# Altium PCB PCB1.PcbDoc (part 1 of 2) (continued)
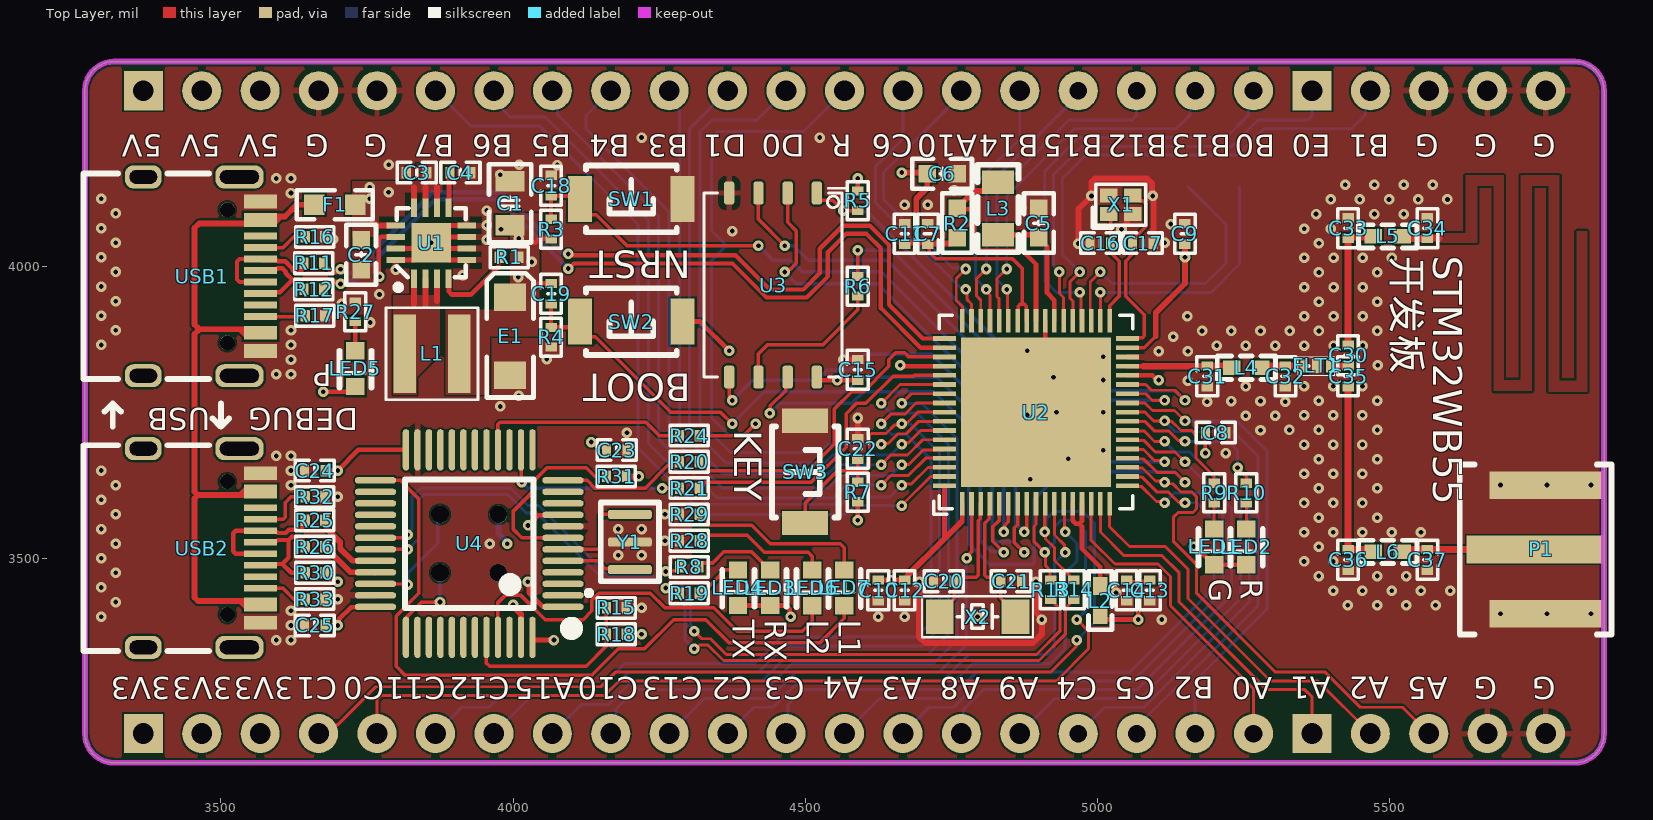
[diagram p0: Top Layer view]
## Footprints (in the part's own frame and the unit in brackets; to place one, negate y for a bottom-side part, rotate by r counter-clockwise, add the part's x,y. Pads: shape width x height; smd on the part's side, far side on the other; paste and mask are expansions set on the pad) (continued)
QSPI [mm]
  rrect50% 1x0.45 smd: 1(0,0) 2(0,-1.27) 3(0,-2.54) 4(0,-3.81) 5(8,-3.81) 6(8,-2.54) 7(8,-1.27) 8(8,0)
  silkscreen extent -0.21,-4.91 8,1.31
"R 0402_L" [mm] "1/16W贴片电阻"
  rect 0.4x0.5 smd: 1(-0.4,0) 2(0.45,0)
  silkscreen extent -0.8,-0.45 0.85,0.45, body extent -0.5,-0.25 0.5,0.25, height 0.3
"R 0603_L" [mil] "1/10W贴片电阻"
  rect 30x30 smd: 1(-25.59,0) 2(25.59,0)
  silkscreen extent -51,-26 51,26, body extent -31,-16 32,16, height 16
"TEST 1.2" [mm] "测试点1.2mm"
  round 1.2 smd paste-1.2: 1(0,0)
  silkscreen extent -0.76,-0.76 0.76,0.76
Type-c接口 [mm]
  rrect75% 1x2.1 hole 1.7 slot 0.6 at 0 deg: 0(0.454,1.117) 0(9.094,1.117)
  rrect75% 1x1.6 hole 1.2 slot 0.6 at 0 deg: 0(0.454,-3.063) 0(9.094,-3.063)
  round 0.65 hole 0.65: 0(1.884,0.587) 0(7.664,0.587)
  rect 0.3x1.45 smd: A1(1.374,2.032) A4(2.174,2.032) A5(3.524,2.032) A6(4.524,2.032) A7(5.024,2.032) A8(6.024,2.032) A9(7.374,2.032) A12(8.174,2.032) B1(7.874,2.032) B4(7.074,2.032) B5(6.524,2.032) B6(5.524,2.032) B7(4.024,2.032) B8(3.024,2.032) B9(2.474,2.032) B12(1.674,2.032)
  silkscreen extent 0.3,-5.66 9.24,-0.21
VFQFN68-8x8mm-M [mil]
  rect 40x8 smd paste+0 mask+0: 1(-156.5,125.98) 2(-156.5,110.24) 3(-156.5,94.49) 4(-156.5,78.74) 5(-156.5,62.99) 6(-156.5,47.24) 7(-156.5,31.5) 8(-156.5,15.75) 9(-156.5,0) 10(-156.5,-15.75) 11(-156.5,-31.5) 12(-156.5,-47.24) 13(-156.5,-62.99) 14(-156.5,-78.74) 15(-156.5,-94.49) 16(-156.5,-110.24) 17(-156.5,-125.98) 35(156.5,-125.98) 36(156.5,-110.24) 37(156.5,-94.49) 38(156.5,-78.74) 39(156.5,-62.99) 40(156.5,-47.24) 41(156.5,-31.5) 42(156.5,-15.75) 43(156.5,0) 44(156.5,15.75) 45(156.5,31.5) 46(156.5,47.24) 47(156.5,62.99) 48(156.5,78.74) 49(156.5,94.49) 50(156.5,110.24) 51(156.5,125.98)
  rect 8x40 smd paste+0 mask+0: 18(-125.98,-156.5) 19(-110.24,-156.5) 20(-94.49,-156.5) 21(-78.74,-156.5) 22(-62.99,-156.5) 23(-47.24,-156.5) 24(-31.5,-156.5) 25(-15.75,-156.5) 26(0,-156.5) 27(15.75,-156.5) 28(31.5,-156.5) 29(47.24,-156.5) 30(62.99,-156.5) 31(78.74,-156.5) 32(94.49,-156.5) 33(110.24,-156.5) 34(125.98,-156.5) 52(125.98,156.5) 53(110.24,156.5) 54(94.49,156.5) 55(78.74,156.5) 56(62.99,156.5) 57(47.24,156.5) 58(31.5,156.5) 59(15.75,156.5) 60(0,156.5) 61(-15.75,156.5) 62(-31.5,156.5) 63(-47.24,156.5) 64(-62.99,156.5) 65(-78.74,156.5) 66(-94.49,156.5) 67(-110.24,156.5) 68(-125.98,156.5)
  rect 256x256 smd paste-127.5 mask+0: 69(0,0)
  silkscreen extent -175,-166 166,175, body extent 0,0 10,10, height 10
三脚晶振 [mm]
  rrect50% 0.4x1.9 smd: 1(2.4,0) 2(1.2,0) 3(0,0)
  silkscreen extent -1.12,-1.27 2.92,1.88
按钮 [mm]
  rect 1.05x2 smd: 1(0,0) 2(4.45,0)
  silkscreen extent 0.25,-1.45 4.2,1.45
电感XFL4020 [mm]
  rect 0.98x3.4 smd: 1(0,0) 2(2.37,0)
  silkscreen extent -0.81,-2 3.18,2

## Part data
C1 C2 C3 C4 C5 C6 C7 C8 C9 C10 C11 C12 C13 C14 C15 C16 C17 C18 C19 C20 C21 C22 C23 C24 C25 C30 C31 C32 C33 C34 C35 C36 C37: library part C, "贴片电容", 主类型=电容, 具体类型=陶瓷电容, 封装类型=贴片
  C1 C33 C36 C37: 值/型号=22uF/16V, 值精度=±10%, 元件封装=0805, 温度漂移=X7R（10%）, 温度范围="-55°C ~ 125°C", 生产商=SAMSUNG(三星), 生产商零件编码=CL21A226KOQNNNE, 立创编号=C296720
  C2: 值/型号=10uF/16V, 值精度=±10%, 元件封装=0603, 温度漂移=X5R, 温度范围="-55°C ~ 125°C", 生产商=SAMSUNG(三星), 生产商零件编码=CL10A106MO8NQNC, 立创编号=C92487C70462
  C3 C7 C8 C9 C10 C11 C12 C13 C15 C23 C24 C25: 值/型号=100nF/16V, 值精度=±10%, 元件封装=0402, 温度漂移=X7R（15%）, 温度范围="-55°C ~ 125°C", 生产商=YAGEO(国巨), 生产商零件编码=CC0402KRX7R7BB104, 立创编号=C60474
  C4: 值/型号=3.3nF/50V, 值精度=±5%, 元件封装=0402, 温度漂移=X7R（5%）, 温度范围="-55°C ~ 125°C", 生产商=YAGEO(国巨), 生产商零件编码=CC0402JRX7R9BB332, 立创编号=C541447
  C5 C6: 值/型号=4.7uF/16V, 值精度=±10%, 元件封装=0603, 温度漂移=X5R（10%）, 温度范围="-55°C ~ 125°C", 生产商=muRata(村田), 生产商零件编码=GRM188R61C475KE11D, 立创编号=C77045
  C14: 值/型号=100pF/16V, 值精度=±5%, 元件封装=0402, 温度漂移=NP0（5%）, 温度范围="-55°C ~ 125°C", 生产商=YAGEO(国巨), 生产商零件编码=CC0402JRNPO7BN101, 立创编号=C526991
  C16 C17: 值/型号=10pF/50V, 值精度=±1%, 元件封装=0402, 温度漂移=C0G, 生产商=FH(风华), 生产商零件编码=0402CG100F500NT, 立创编号=C285132
  C18 C19 C22: 值/型号=10nF/16V, 值精度=±10%, 元件封装=0402, 温度漂移=X7R, 生产商=YAGEO(国巨), 生产商零件编码=CC0402KRX7R7BB103, 立创编号=C327009
  C20 C21: 值/型号=7pF/50V, 值精度=±0.25pF, 元件封装=0402, 温度漂移=C0G, 生产商=FH(风华), 生产商零件编码=0402CG7R0C500NT, 立创编号=C1577
  C30 C35: 值/型号=10nF/50V, 值精度=±5%, 元件封装=0402, 温度漂移=X7R（10%）, 温度范围="-55°C ~ 125°C", 生产商=YAGEO(国巨), 生产商零件编码=CC0402JRX7R9BB103, 立创编号=C272878
  C31: 值/型号=0.8pF/50V, 值精度=±0.05pF, 元件封装=0402, 温度漂移=X7R（10%）, 温度范围="-55°C ~ 125°C", 生产商=muRata(村田), 生产商零件编码=GJM1555C1HR80WB01D, 立创编号=C88902
  C32: 值/型号=0.3pF/50V, 值精度=±0.05pF, 元件封装=0402, 温度漂移=X7R（10%）, 温度范围="-55°C ~ 125°C", 生产商=muRata(村田), 生产商零件编码=GJM1555C1HR30WB01D, 立创编号=C76909
  C34: 值/型号=1.2pF/50V, 值精度=±0.05pF, 元件封装=0402, 温度漂移=X7R（10%）, 温度范围="-55°C ~ 125°C", 生产商=muRata(村田), 生产商零件编码=GJM1555C1H1R2WB01D, 立创编号=C76899
E1: library part C-CD, "聚合物电容 4.7uF/16V", 主类型=电容, 值/型号=4.7uF/16V, 值精度=±20%, 元件封装=CASE-A_3216, 具体类型=聚合物电容, 封装类型=贴片, 温度范围="-55℃ ~ +105℃", 生产商=Sunlord(顺络), 生产商零件编码=TC211A475M016A, 立创编号=C136628
F1: library part FU, "贴片保险丝"
FLT1: "Band Pass Filter Murata LFB182G45CGFD436", 主类型=电感, 值/型号=LFB182G45CGFD436, 元件封装=0603, 具体类型=滤波电感, 封装类型=贴片, 生产商=muRata(村田), 生产商零件编码=LFB182G45CGFD436
JP1 JP4: library part "Header 20", "20P接插件"
JP2 JP3: library part "Header 5", "5P接插件"
L1: library part L-CD, "XFL4020-222MEB", 主类型=电感, 值/型号=XFL4020-222MEB, 元件封装=4020, 具体类型=功率电感, 封装类型=贴片, 温度范围=-40-125, 生产商=Coilcraft, 生产商零件编码=XFL4020-222MEB, 立创编号=https://detail.tmall.com/item.htm?spm=a230r.1.14.16.717a6f292tX0SR&id=619184428761&ns=1&abbucket=12, 类型备注=淘宝采购
L2: library part L-CD, "0805", 主类型=电感, 值/型号=FCM1608KF-601T03, 元件封装=0603, 具体类型=功率电感, 封装类型=贴片, 温度范围=-40-125, 生产商=台庆, 生产商零件编码=FCM1608KF-601T03, 立创编号=C141723
L3: library part L-CD, "74479777310A", 主类型=电感, 值/型号=74479777310A, 元件封装=0805, 具体类型=功率电感, 封装类型=贴片, 温度范围=-40-125, 生产商=WE, 生产商零件编码=74479777310A, 类型备注=淘宝采购
L4: library part L-CD, "LQG15HS2N7S02", 主类型=电感, 值/型号=LQG15HS2N7S02, 元件封装=0402, 具体类型=贴片电感, 封装类型=贴片, 温度范围=-40-125, 生产商=muRata(村田), 生产商零件编码=LQG15HS2N7S02D, 立创编号=C77108
L5: library part L-CD, "LQG15HS3N6S02", 主类型=电感, 值/型号=LQG15HS3N6S02, 元件封装=0402, 具体类型=贴片电感, 封装类型=贴片, 温度范围=-40-125, 生产商=muRata(村田), 生产商零件编码=LQG15HS3N6S02D, 立创编号=C19216
L6: library part L-CD, 主类型=电感, 元件封装=4020, 具体类型=功率电感, 封装类型=贴片, 温度范围=-40-125, 生产商=Coilcraft, 生产商零件编码=XFL4020-222MEB, 立创编号=https://detail.tmall.com/item.htm?spm=a230r.1.14.16.717a6f292tX0SR&id=619184428761&ns=1&abbucket=12, 类型备注=淘宝采购
LED1 LED2 LED3 LED4 LED5 LED6 LED7: library part LED-SMD, "C84267"
P1: "SMB Straight Connector"
R1 R2 R5 R6: library part R, "贴片电阻 0402 1%", 主类型=电阻, 具体类型=贴片电阻, 封装类型=贴片
  R1: 值/型号=100K, 值精度=±1%, 元件封装=0402, 温度漂移=±100ppm/℃, 生产商=国巨, 生产商零件编码=RC0402FR-07100KL, 立创编号=C60491
  R2: 值/型号=0, 值精度=±5%, 元件封装=0603, 温度漂移=-200ppm/℃~400ppm/℃, 生产商=华新科(Walsin), 生产商零件编码=WR06X000PTL, 立创编号=C132607
  R5: 值/型号=10K, 值精度=±1%, 元件封装=0402, 温度漂移=±100ppm/℃, 生产商=国巨, 生产商零件编码=RC0402FR-0710KL, 立创编号=C60490
  R6: 值/型号=22, 值精度=±1%, 元件封装=0402, 温度漂移=±100ppm/℃, 生产商=国巨, 生产商零件编码=RC0402FR-0722RL, 立创编号=C114765
R3 R4 R7 R15 R18 R20 R21 R24 R25 R26 R30 R31 R32 R33: library part R, "贴片电阻", 主类型=电阻, 具体类型=贴片电阻, 封装类型=贴片
  R3 R4 R7: 值/型号=10K, 值精度=1%, 元件封装=贴片, 温度漂移=±100ppm/℃, 生产商=YAGEO（国巨）, 生产商零件编码=RC0402FR-0710KL, 立创编号=C60490
  R15 R18 R20 R21 R24 R25 R26 R31 R32 R33: 值/型号=10K, 值精度=±1%, 元件封装=0402, 温度漂移=±100ppm/℃, 生产商=YAGEO（国巨）, 生产商零件编码=RC0402FR-0710KL, 立创编号=C60490
  R30: 值/型号=1.5K, 值精度=±1%, 元件封装=0402, 生产商=YAGEO(国巨), 生产商零件编码=RC0402FR-071K5L, 立创编号=C114759
R8 R9 R10 R11 R12 R13 R14 R16 R17 R19 R27 R28 R29: library part R, "贴片电阻 0402 5%", 主类型=电阻, 元件封装=0402, 具体类型=贴片电阻, 封装类型=贴片, 温度漂移=50ppm
  R8 R9 R19 R28 R29: 值/型号=15K, 值精度=±1%, 生产商=国巨, 生产商零件编码=RT0402FRE0715KL, 立创编号=C136975
  R10 R27: 值/型号=910, 值精度=±1%, 生产商=UNI-ROYAL(厚声), 生产商零件编码=0402WGF9100TCE, 立创编号=C44933
  R11 R12: 值/型号=22, 值精度=±1%, 生产商=国巨, 生产商零件编码=RC0402FR-0722RL, 立创编号=C114765
  R13 R14: 值/型号=0, 值精度=±5%, 生产商=国巨, 生产商零件编码=RC0402JR-070RL, 立创编号=C60485
  R16 R17: 值/型号=5.1K, 值精度=±1%, 生产商=国巨, 生产商零件编码=RC0402FR-075K1L, 立创编号=C105872
SW1 SW2 SW3: library part "TSW 3x6", "3x6轻触开关"
TP1 TP2 TP3 TP4 TP5 TP6: "测试点"
U1: library part "开关电源 TPS62133", 主类型=线性稳压器, 值/型号=TPS62133RGTR, 元件封装=VQFN-16, 具体类型=LDO, 封装类型=贴片, 温度范围=-40-85, 生产商=TI(德州仪器), 生产商零件编码=TPS62133RGTR, 立创编号=C73973
U2: "No Description Available", Built_By=EMA_UL_Team, Copyright="Copyright (C) 2018 Accelerated Designs. All rights reserved", Manufacturer_Part_Number=STM32WB55RGV6, RefDes=RefDes, SourceLibrary=Updates_to_database_2020-10-19, Type=DEV, Vendor=STMicroelectronics
U3: library part QSPI-W25Q256IV
U4: "ARM Cortex-M3 32-bit MCU, 128 KB Flash, 20 KB Internal RAM, 37 I/Os, 48-pin LQFP, -40 to 85 degC, Tray"
USB1 USB2: library part USB-Type-C-TOP
X1: library part XTAL-4P, "4脚无源晶振", 主类型=晶振, 值/型号=32M, 值精度=9PPM, 元件封装=1612, 具体类型=无源晶振, 封装类型=贴片, 温度范围=-40℃~85℃, 生产商=EPSON(爱普生), 生产商零件编码=X1E0002510050, 立创编号=C255987
X2: library part XTAL-2P, "2脚无源脚晶振", 主类型=晶振, 值/型号=32.768K, 值精度=10PPM, 元件封装=3215, 具体类型=无源晶振, 封装类型=贴片, 温度范围="-40℃ ~ +85℃", 生产商=EPSON(爱普生), 生产商零件编码=Q13FC1350000200, 立创编号=C48615
Y1: library part 晶振-3Pin, "村田贴片"

## Free pads (board coordinates)
  round 30 hole 30: 3(3875,3475) 3(3875,3575) 3(3975,3475) 3(3975,3575)

## Via types
v1: diameter 18, hole 8, Top Layer to Bottom Layer, tented both sides, 309 vias

## Nets (pads, with @x,y where several pads share a name; then routed paths per layer and width w, separated by ;. In a path a pad name is that pad's centre, name@x,y a point inside that pad or via, vN(x,y) a via of type N, cw(c..) or ccw(c..) an arc to the next point about the centre after c; other vN are vias at no path point)
3V3: C1.1 C6.2 C7.2 C8.2 C9.2 C10.2 C11.2 C12.2 C13.2 C14.2 C15.2 C19.2 C23.2 C24.2 C25.2 E1.1 JP4.1 JP4.2 JP4.3 L1.2 L2.1 LED1.1 LED2.1 LED3.1 LED4.1 LED5.1 pad.3@3975,3575 R1.2 R2.1 R3.2 R5.1 R7.2 R18.1 R30.2 R31.1 SW2.2 TP5.1 U1.14 U2.1 U2.30 U2.33 U2.44 U2.45 U2.55 U2.68 U3.8 U4.1 U4.9 U4.24 U4.36 U4.48 | length 2721.6
  Top Layer w6: C7.2@4710,4037.29 4712.03,4035.26 4712.03,4023.93 4723.34,4012.62 4854.84,4012.62 4871.53,3995.93 4871.53,3935 ; U2.45@4863.5,3906.5 4864.5,3907.5 4864.5,3931.49 4868.02,3935 4871.53,3935 ; U2.44@4879.25,3906.5 4878.25,3907.5 4878.25,3931.49 4874.74,3935 4871.53,3935 ; U2.33@5063.98,3860 5080,3860 5100,3880 ; v1@5185,3685 C8.2@5185,3715
  Top Layer w8: v1(3675,3785) 3721.02,3785 LED5.1@3730,3793.98 ; R30.2@3677.71,3475 3677.71,3473.03 3688.83,3461.91 3698.09,3461.91 v1(3700,3460) ; C25.2@3678.69,3385 v1(3700,3385) 3701.91,3386.91 3701.91,3395.24 3722.83,3416.16 3763.98,3416.16 U4.36@3764.55,3416.73 ; C24.2@3678.69,3650 v1(3700,3650) 3735.45,3685.45 U4.24@3816.73,3685.45 ; v1(3771.41,3982) 3770,3983.41 3770,4045.31 3774.69,4050 3798.83,4050 U1.14@3798.99,4049.84 ; v1(4025,3460) 4026.91,3458.09 4026.91,3441.21 4050.82,3417.31 4084.87,3417.31 U4.1@4085.45,3416.73 ; v1(4025.65,3556.08) 4043.21,3573.64 4084.87,3573.64 U4.9@4085.45,3574.21 ; U4.48@4033.27,3364.55 4033.27,3361.39 4034.65,3360 v1(4070,3360) ; 4035,3965 4037.71,3965 4043.14,3970.43 C19.2@4065,3970.43 ; 4035,4040 4037.71,4040 4044.24,4046.54 R3.2@4065,4046.54 ; v1(4134.1,3698.83) 4136.8,3698.83 4144.79,3690.84 4155.94,3690.84 4159.81,3686.97 C23.2@4159.81,3685 ; R18.1@4193.28,3370 v1(4220,3370) ; SW2.2@4290,3905 4320,3905 v1(4370,3855) ; LED4.1@4385,3418.98 4467.21,3418.98 4473.75,3412.44 4473.75,3401.25 v1(4475,3400) ; U3.8@4520,3810.04 4520,3809.59 4524.83,3804.77 v1(4555,3804.77) ; v1@4555,3804.57 C15.2@4590,3804.57 ; v1(4590,3565) R7.2@4590,3596.54 ; R5.1@4590,4128.46 v1(4590,4150) ; C10.2@4625,3462.71 v1(4647.5,3462.71) C12.2@4670,3462.71 ; v1(4662.83,3830.28) 4664.37,3828.74 U2.55@4738.5,3828.74 ; 4737.01,3532.01 4738.5,3533.5 U2.68@4738.5,3624.02 ; 4768.02,3563.02 4769.02,3564.02 U2.1@4769.02,3593.5 ; L2.1@5005,3402.46 5012.46,3395 v1(5070,3395) 5070,3453.79 ; C14.2@5050,3462.71 5053.81,3458.91 5064.88,3458.91 5070,3453.79 ; U2.30@5051.5,3812.99 5094.3,3812.99 5102.29,3805 v1(5105,3805) ; C13.2@5090,3462.71 5087.29,3460 5075,3460 5070,3455 5070,3453.79 ; v1(5165,3520) 5166.91,3518.09 5169.91,3518.09 5199.02,3488.98 LED1.1@5200,3488.98 LED2.1@5255,3488.98
  Top Layer w10: R31.1@4193.28,3640 v1(4215,3640) ; v1(4665,4160) 4708.82,4160 4708.82,4133.82 4690,4115 4690,4045 ; C12.2@4670,3462.71 4671.97,3462.71 4674.84,3465.59 4674.84,3469.84 4737.01,3532.01 ; C11.2@4670.04,4037.25 4672.96,4040.16 4685.16,4040.16 4690,4045 ; 4738.5,3533.5 4768.02,3563.02 ; R2.1@4760.01,4048.13 4750.66,4038.79 4711.5,4038.79 C7.2@4710,4037.29 4707.13,4040.16 4694.84,4040.16 4690,4045 ; 5100,3880 5100,3920 5150,3970 C9.2@5150,4037.29
  Bottom Layer w10: pad.3@3975,3575 3975,3542.16 3990,3527.16 v1(3990,3525)
  other v1: 5185,3680 4009.07,3981.2 4032.09,4007.04 5150,4015 4009.72,4047.19 3979.44,4062.8
5V: C2.2 C3.2 F1.2 JP1.1 JP1.2 JP1.3 U1.10 U1.11 U1.12 U1.13 | length 146.6
  Top Layer w10: 3760,4075 3765.47,4069.53 U1.13@3798.99,4069.53 ; 3830,4135 3830.47,4134.53 U1.12@3830.47,4100.01 ; 3850,4135 3850.16,4134.84 U1.11@3850.16,4100.01 ; U1.10@3869.84,4100.01 3869.84,4134.84 3870,4135
  other v1: 3755,4115 3786.92,4126.17 3755,4135
5V_IN: F1.1 USB1.A4 USB1.A9 USB1.B4 USB1.B9 USB2.A4 USB2.A9 USB2.B4 USB2.B9 | length 1344.8
  Top Layer w10: USB2.A9@3567.83,3415.14 3545.2,3415.14 3533.39,3426.95 ; USB2.B4@3567.83,3426.95 3533.39,3426.95 ; USB2.B9@3567.83,3608.05 3533.39,3608.05 ; USB2.A4@3567.83,3619.86 3545.2,3619.86 3533.39,3608.05 ; USB1.A9@3567.83,3880.14 3545.2,3880.14 3533.39,3891.95 ; USB1.B4@3567.83,3891.95 3533.39,3891.95 ; USB1.A4@3567.83,4084.86 3602.28,4084.86 ; F1.1@3660,4105 3630,4105 3609.86,4084.86 3602.28,4084.86 ; 3460.86,3608.05 3533.39,3608.05 ; 3460.86,3608.05 3455,3602.19 3455,3432.81 3460.86,3426.95 3533.39,3426.95 ; 3460.86,3608.05 3455,3613.91 3455,3883.9 3463.05,3891.95 ; 3463.05,3891.95 3455,3900 3455,4065 3463.05,4073.05 USB1.B9@3567.83,4073.05 3590.47,4073.05 3602.28,4084.86 ; 3463.05,3891.95 3533.39,3891.95
ANT: C34.1 L5.2 | length 65
  Top Layer w11.55: L5.2@5522,4051 5525.72,4047.28 C34.1@5565,4047.28 5565.76,4048.04 5585.12,4048.04
BOOT0: R15.2 R18.2 U4.44 | length 331.2
  Top Layer w6: U4.44@3954.53,3364.55 3954.53,3320.47 3960,3315 4125,3315 4159.81,3349.81 R18.2@4159.81,3370 R15.2@4159.81,3415
GND: C1.2 C2.1 C3.1 C4.1 C5.1 C6.1 C7.1 C8.1 C9.1 C10.1 C11.1 C12.1 C13.1 C14.1 C15.1 C16.1 C17.1 C18.2 C20.1 C21.1 C22.2 C23.1 C24.1 C25.1 C31.2 C32.2 C33.2 C34.2 C36.2 C37.2 E1.2 FLT1.2 JP1.4 JP1.5 JP2.3 JP2.4 JP2.5 JP3.4 JP3.5 P1.2 pad.3@3975,3475 R4.2 R15.1 R16.2 R17.2 R27.1 R28.1 R29.1 R32.1 R33.1 SW1.2 SW3.2 TP6.1 U1.5 U1.6 U1.7 U1.8 U1.15 U1.16 U1.17 U2.32 U2.42 U2.69 U3.4 U4.8 U4.23 U4.35 U4.47 USB1.A1 USB1.A12 USB1.B1 USB1.B12 USB2.A1 USB2.A12 USB2.B1 USB2.B12 X1.2 X1.4 Y1.2 | length 1559.4
  Top Layer w8: U1.16@3798.99,4010.47 3830.47,4010.47 U1.17@3850.16,4030.16 ; U1.15@3798.99,4030.16 U1.17@3850.16,4030.16 ; U1.5@3921.01,4010.47 3889.53,4010.47 U1.17@3869.84,4030.16 ; U1.6@3921.01,4030.16 U1.17@3869.84,4030.16 ; U1.7@3921.01,4049.84 U1.17@3869.84,4049.84 ; U1.8@3921.01,4069.53 3920.95,4069.46 3889.46,4069.46 U1.17@3869.84,4049.84 ; U2.69@4895,3750 4910.75,3765.75 U2.42@4910.75,3906.5 ; U1.17@3850.16,4030.16 v1(3860,4040) ; v1(3860,4040) U1.17@3869.84,4030.16 ; v1(3860,4040) U1.17@3869.84,4049.84
  Top Layer w10: R17.2@3677.71,3915 3680.59,3915 3700.59,3915 3706.45,3920.86 3706.45,3934.98 v1(3706.66,3935.2) ; R16.2@3677.71,4050 3680.51,4047.2 3690.45,4047.2 v1(3691.98,4045.67) ; v1(4000,3420) 4000,3417.84 4013.39,3404.44 4013.39,3364.74 U4.47@4013.58,3364.55 ; R15.1@4193.28,3415 v1(4220,3415) ; v1(4565,3840) C15.1@4590,3840 ; C22.2@4590,3705 v1(4590,3740) ; v1(4695,3460) 4695,3365 4705,3355 4890,3355 4905,3370 v1(4905,3395) 4905,3397.16 4895,3407.16 v1(4895,3460) ; C16.1@4987.28,4039.26 4986.91,4038.88 4968.09,4038.88 v1(4967.71,4038.51) 4967.71,4097.71 v1(4990,4120) 4990,4144.14 4995.86,4150 5085,4150 5093.47,4141.53 5093.47,4121.53 v1(5095,4120) 5096.43,4118.57 5096.43,4062.52 5095,4061.09 5095,4039.68 C17.1@5095.43,4039.25 5095.8,4039.63 5114.63,4039.63 v1(5115,4040) ; v1(5041.34,4063.12) 5041.34,4063.41 5050.91,4072.98 5050.91,4082.44 5057.72,4089.25 X1.2@5060.67,4089.25
  other v1: 3595,3360 3620,3360 3620,3385 5110,3395 3295,3400 4625,3400 4670,3400 4795,3400 5690,3405 5769.69,3404.76 5845,3405 3620,3410 5428.77,3419.55 5478.77,3419.55 5528.77,3419.55 5578.77,3419.55 3320,3425 3700,3430 5032,3440.79 5403.77,3444.55 5453.77,3444.55 5503.77,3444.55 5553.77,3444.55 5603.77,3444.55 3295,3450 5378.77,3469.55 5478.77,3469.55 5528.77,3469.55 3320,3475 5353.77,3494.55 5403.77,3494.55 3295,3500 4180,3505 4220,3505 5378.77,3519.55 3320,3525 3960,3525 4260,3530 5353.77,3544.55 5403.77,3544.55 5453.77,3544.55 5503.77,3544.55 5553.77,3544.55 3295,3550 4180,3550 4220,3550 5378.77,3569.55 5478.77,3569.55 3320,3575 4260,3575 5353.77,3594.55 5403.77,3594.55 5453.77,3594.55 3295,3600 3700,3605 5378.77,3619.55 5478.77,3619.55 3320,3625 3620,3625 5690,3625.47 5769.69,3625.24 5845,3625.47 4885,3635 5353.77,3644.55 5403.77,3644.55 5453.77,3644.55 3295,3650 3620,3650 4950,3670 5378.77,3669.55 5478.77,3669.55 3595,3675 3620,3675 5220,3680 5010,3685 5353.77,3694.55 5403.77,3694.55 5453.77,3694.55 4195,3715 5279.24,3719.02 5328.77,3719.55 5378.77,3719.55 5478.77,3719.55 5254.24,3744.02 5304.24,3744.02 4880,3745 5353.77,3744.55 5403.77,3744.55 5453.77,3744.55 4930,3750 5010,3750 3978.18,3759.7 5187.75,3767.92 5321.75,3767.92 5229.24,3769.02 5279.24,3769.02 5378.77,3769.55 5478.77,3769.55 4010,3777.87 5254.24,3794.02 5353.77,3794.55 5403.77,3794.55 5453.77,3794.55 5155,3804 5010,3805 4925,3810 3595,3815 3620,3815 5480,3830 3620,3840 4057.54,3840.95 5010,3845 5105,3854 5155,3854 4880,3855 5204.24,3864.02 5254.24,3864.02 5304.24,3864.02 5354.24,3864.02 5404.24,3864.02 5454.24,3864.02 3295,3865 3620,3865 5130,3879 5179.24,3889.02 5229.24,3889.02 5279.24,3889.02 5329.24,3889.02 5379.24,3889.02 5479.24,3889.02 3320,3890 3620,3890 3755.78,3903.44 5154.24,3914.02 5354.24,3914.02 5404.24,3914.02 5454.24,3914.02 3295,3915 5379.24,3939.02 5479.24,3939.02 3320,3940 3771.44,3951.37 5354.24,3964.02 5404.24,3964.02 5454.24,3964.02 3295,3965 3913.81,3984.29 5379.24,3989.02 5479.24,3989.02 3320,3990 3799.2,3993.5 5354.24,4014.02 5404.24,4014.02 5454.24,4014.02 5504.24,4014.02 3295,4015 5379.24,4039.02 3320,4040 3955,4045 4375,4060 5354.24,4064.02 5399.24,4064.02 3295,4065 3955,4070 5125.43,4071.97 5374.24,4089.02 5474.24,4089.02 5524.24,4089.02 3320,4090 3955,4095 4870,4100 4670,4105 4710,4105 5399.24,4114.02 5449.24,4114.02 5499.24,4114.02 5549.24,4114.02 5599.24,4114.02 3295,4115 3620,4125 4755,4130 5424.24,4139.02 5474.24,4139.02 5524.24,4139.02 5574.24,4139.02 3595,4150 3620,4150 3977.93,4156.02 4075.41,4172.94 3787.36,4173.54 4010.25,4173.82 4220,4220 4525,4220
GPIO_PA0: JP4.20 U2.15 | length 551.8
  Top Layer w5: U2.15@4989.49,3593.5 4989.49,3530.51 5030,3490 5103.79,3490 5125,3468.79 5125,3418.79 5267.24,3276.54 JP4.20@5267.24,3200
GPIO_PA1: JP3.1 U2.16 | length 619.6
  Top Layer w5: U2.16@5005.24,3593.5 5005.24,3544.76 5045,3505 5110,3505 5140,3475 5140,3425 5290,3275 5355,3275 5367.24,3262.76 JP3.1@5367.24,3200
GPIO_PA2: JP3.2 U2.17 | length 661.7
  Top Layer w5: U2.17@5020.98,3593.5 5020.98,3554.02 5055,3520 5116.21,3520 5155,3481.21 5155,3431.21 5296.21,3290 5377.24,3290 JP3.2@5467.24,3200
GPIO_PA3: JP4.14 U2.18 | length 977.5
  Top Layer w5: U2.18@5052.5,3623.02 5075.32,3623.02 5101.04,3597.3 v1@5112.7,3597.3
  Top Layer w6: U2.18@5051.5,3624.02 U2.18@5052.5,3623.02 ; v1@5112.7,3597.3 v1(5115,3595)
  Bottom Layer w5: JP4.14@4667.24,3200 4712.24,3245 4753.79,3245 4798.79,3290 5061.36,3290 5215,3443.64 5215,3575 5178.5,3611.5 5131.5,3611.5 v1(5115,3595)
GPIO_PA4: JP4.13 U2.19 | length 1030.9
  Top Layer w5: U2.19@5052.5,3638.76 5076.77,3638.76 5102.54,3613 5121.68,3613 5138.17,3596.51 5148.49,3596.51 v1(5150,3595)
  Top Layer w6: U2.19@5051.5,3639.76 U2.19@5052.5,3638.76
  Bottom Layer w5: JP4.13@4567.24,3200 4627.24,3260 4747.57,3260 4792.57,3305 5055.15,3305 5200,3449.85 5200,3565 5170,3595 v1(5150,3595)
GPIO_PA5: JP3.3 U2.20 | length 848.9
  Top Layer w5: U2.20@5052.5,3654.51 5077.19,3654.51 5099.41,3632.3 v1@5112.7,3632.3 ; v1(5115,3630) 5117.49,3627.51 5129.15,3627.51 5143.17,3613.5 5161.5,3613.5 5170,3605 5170,3585 5163.5,3578.5 5138.5,3578.5 5130,3570 5130,3528.95 5170,3488.95 5170,3440 5305,3305 5390,3305 5450,3245 5522.24,3245 JP3.3@5567.24,3200
  Top Layer w6: U2.20@5051.5,3655.51 U2.20@5052.5,3654.51 ; v1@5112.7,3632.3 v1(5115,3630)
GPIO_PA8: JP4.15 U2.23 | length 957.8
  Top Layer w5: U2.23@5052.5,3701.76 5079.42,3701.76 5099.18,3682 5133,3682 v1(5150,3665)
  Top Layer w6: U2.23@5051.5,3702.76 U2.23@5052.5,3701.76
  Bottom Layer w5: JP4.15@4767.24,3200 4770.96,3203.72 4770.96,3240.96 4805,3275 5067.57,3275 5230,3437.43 5230,3585 v1(5150,3665)
GPIO_PA9: JP4.16 U2.24 | length 882
  Top Layer w5: U2.24@5052.5,3717.5 5080.22,3717.5 5097.73,3700 v1(5115,3700)
  Top Layer w6: U2.24@5051.5,3718.5 U2.24@5052.5,3717.5
  Bottom Layer w5: JP4.16@4867.24,3200 4927.24,3260 5073.79,3260 5245,3431.21 5245,3595 5158.5,3681.5 5133.5,3681.5 v1(5115,3700)
GPIO_PA10: JP1.15 U2.51 | length 530.7
  Top Layer w5: U2.51@4769.02,3906.5 4768.87,3906.65 4768.87,3930.96 4758.5,3941.33 4758.5,3978.5 v1(4775,3995)
  Bottom Layer w5: JP1.15@4767.24,4300 4767.24,4293.1 4634.14,4160 4634.14,4114.54 4752.02,3996.67 4773.33,3996.67 v1(4775,3995)
GPIO_PA15: JP4.8 U2.57 | length 1339
  Top Layer w5: v1(4630,3765) 4662.24,3797.24 U2.57@4738.5,3797.24
  Bottom Layer w5: JP4.8@4067.24,3200 4117.24,3250 4163.79,3250 4203.79,3290 4426.36,3290 4471.36,3335 4710,3335 4745,3370 4745,3695 4691.5,3748.5 4646.5,3748.5 v1(4630,3765)
GPIO_PB0: JP1.20 U2.38 | length 739.2
  Top Layer w5: v1(4970,3955) 4972.24,3952.76 4972.24,3908 U2.38@4973.74,3906.5
  Bottom Layer w5: v1(4970,3955) 4930,3955 4910,3975 4910,4162.43 4967.57,4220 5220,4220 5259.04,4259.04 5259.04,4291.79 JP1.20@5267.24,4300
GPIO_PB1: JP2.2 U2.39 | length 873.2
  Top Layer w5: U2.39@4957.99,3906.5 4957.99,3940.15 4953.5,3944.65 4953.5,3973.5 v1(4970,3990)
  Bottom Layer w5: v1(4970,3990) 4940,4020 4940,4150 4980,4190 5240,4190 5285,4235 5435,4235 5459.04,4259.04 5459.04,4291.79 JP2.2@5467.24,4300
GPIO_PB2: JP4.19 U2.27 | length 807.5
  Top Layer w5: U2.27@5051.5,3765.75 5081.29,3765.75 5094.31,3752.73 5132.27,3752.73 v1(5150,3735)
  Bottom Layer w5: v1(5150,3735) 5239.42,3735 5290,3684.42 5290,3412.57 5167.24,3289.82 JP4.19@5167.24,3200
GPIO_PB3: JP1.10 U2.63 | length 1096.8
  Top Layer w5: v1(4630,3660) 4646.5,3676.5 4674.86,3676.5 4701.12,3702.76 U2.63@4738.5,3702.76
  Bottom Layer w5: JP1.10@4267.24,4300 4267.24,4283.86 4285,4266.11 4285,3717.91 4357.55,3645.35 4540.36,3645.35 4555,3660 v1(4630,3660)
GPIO_PB4: JP1.9 U2.64 | length 1201.9
  Top Layer w5: v1(4665,3660) 4665.77,3660.77 4677.57,3660.77 4702.31,3685.51 4737,3685.51 U2.64@4738.5,3687.01
  Bottom Layer w5: JP1.9@4167.24,4300 4125,4257.76 4125,4235 4266.97,4093.03 4266.97,3710.94 4357.45,3620.45 4540.45,3620.45 4561.5,3641.5 4646.5,3641.5 v1(4665,3660)
GPIO_PB5: JP1.8 U2.65 | length 1231.1
  Top Layer w5: v1(4630,3625) 4646.5,3641.5 4676.5,3641.5 4706.26,3671.26 U2.65@4738.5,3671.26
  Bottom Layer w5: JP1.8@4067.24,4300 4075.97,4291.28 4075.97,4259.04 4095,4240 4249.29,4085.71 4249.29,3703.62 4350.13,3602.78 4547.78,3602.78 4570,3625 v1(4630,3625)
GPIO_PB6: JP1.7 U2.66 | length 1324.5
  Top Layer w5: v1(4665,3625) 4667,3627 4681.5,3627 4710.01,3655.51 U2.66@4738.5,3655.51
  Bottom Layer w5: JP1.7@3967.24,4300 3967.24,4283.24 3982.59,4267.9 3982.59,4267.41 3995,4255 4055,4255 4231.61,4078.39 4231.61,3696.29 4335.58,3592.32 4562.32,3592.32 4575,3605 4645,3605 v1(4665,3625)
GPIO_PB7: JP1.6 U2.67 | length 1422.7
  Top Layer w5: v1(4665,3590) 4715,3640 4738.26,3640 U2.67@4738.5,3639.76
  Bottom Layer w5: JP1.6@3867.24,4300 3927.24,4240 4045,4240 4213.93,4071.07 4213.93,3688.97 4328.26,3574.64 4569.64,3574.64 4570,3575 4585,3590 v1(4665,3590)
GPIO_PB12: JP1.18 U2.46 | length 563.8
  Top Layer w5: v1(4845,3960) 4846.38,3958.62 4846.38,3907.88 U2.46@4847.76,3906.5
  Bottom Layer w5: v1(4845,3960) 4828.5,3976.5 4828.5,4126.83 4951.67,4250 5060,4250 5065.02,4255.02 5067.24,4257.24 JP1.18@5067.24,4300
GPIO_PB13: JP1.19 U2.47 | length 637.8
  Top Layer w5: U2.47@4832.01,3906.5 4832.01,3944.1 4828.5,3947.6 4828.5,3978.5 v1(4845,3995)
  Bottom Layer w5: v1(4845,3995) 4845,4120 4960,4235 5135,4235 5159.04,4259.04 5159.04,4291.79 JP1.19@5167.24,4300
GPIO_PB14: JP1.16 U2.48 | length 435.1
  Top Layer w5: v1(4810,3960) 4810,3956.83 4816.26,3950.57 U2.48@4816.26,3906.5
  Bottom Layer w5: v1(4810,3960) 4791.5,3978.5 4791.5,4141.5 4867.24,4217.24 JP1.16@4867.24,4300
GPIO_PB15: JP1.17 U2.49 | length 468.4
  Top Layer w5: U2.49@4800.51,3906.5 4800.51,3941.54 4793.5,3948.55 4793.5,3978.5 v1(4810,3995)
  Bottom Layer w5: v1(4810,3995) 4810,4135 4967.24,4292.24 JP1.17@4967.24,4300